# KiCad board Zynq_SoM.kicad_pcb (continued)
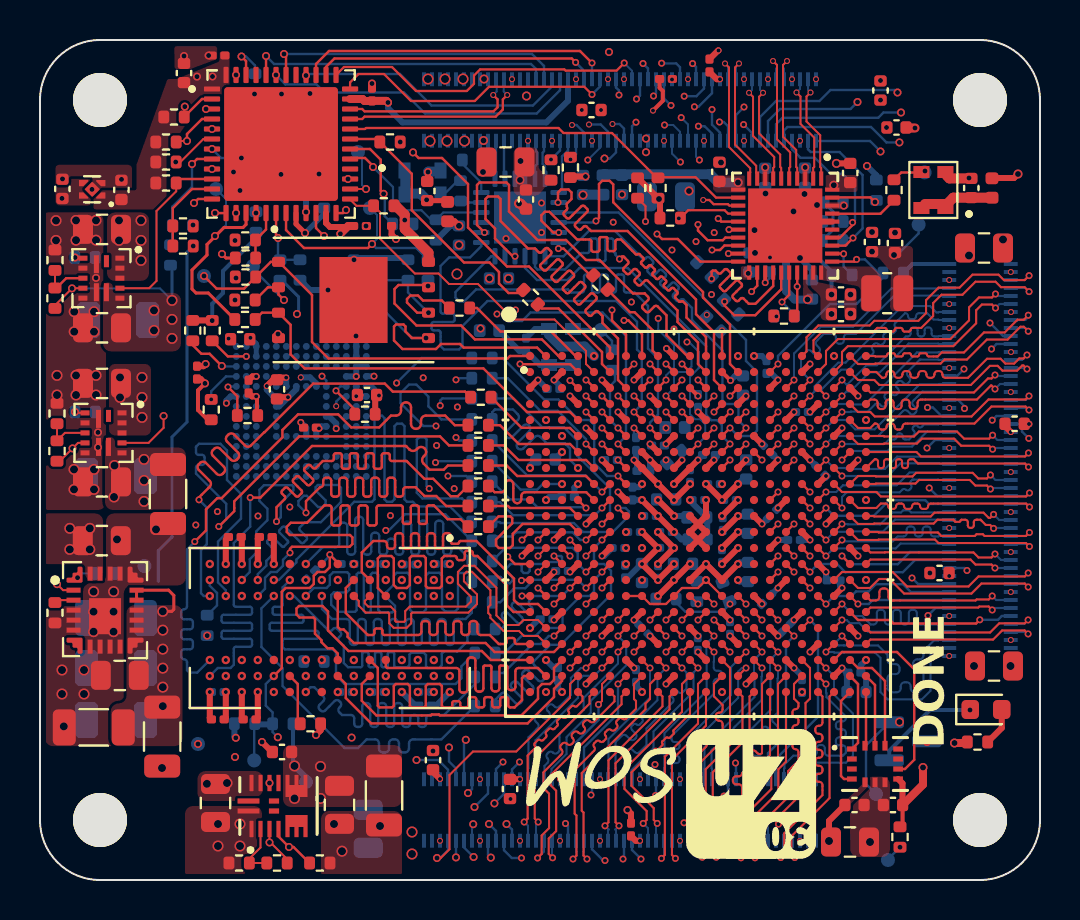
[diagram p0: board, top side]
## Routing (per net, layer and track width the routed paths; a pad name or vN(x,y) marks a point on that pad's centre or on a via; arc(x,y) is an arc through that point) (continued)
ETH_PHY_TXD1: length 12.1
  L1 (Sig) w0.12: U3.17 34.27,32.12 34.14,31.99 33.38,31.99 32.9,32.47 v1(32.9,32.78) ; U2.A7 29.3,27.28 28.6,27.97 v1(28.6,28.5)
  L6 (Sig+Pwr) w0.135: v1(28.6,28.5) 28.6,30 30,31.4 30.92,31.4 32.29,32.78 v1(32.9,32.78)
ETH_PHY_TXD2: length 13.4
  L1 (Sig) w0.12: U2.E10 31.69,23 31.29,23.41 ; v1(34.45,32.52) U3.16
  L6 (Sig+Pwr) w0.135: v1(34.45,32.52) 34.04,32.11 34.04,29.86 33.84,29.66 33.13,29.66 32.71,29.24 arc(32.61,29.2) 32.51,29.24 arc(32.41,29.28) 32.3,29.24 32.19,29.12 arc(32.15,29.02) 32.19,28.92 32.39,28.72 arc(32.44,28.62) 32.39,28.51 32.28,28.4 arc(32.18,28.36) 32.07,28.4 31.87,28.6 arc(31.77,28.65) 31.67,28.6 31.54,28.48 arc(31.5,28.38) 31.54,28.28 arc(31.58,28.17) 31.54,28.07 31.2,27.73 31.2,27.1 30.9,26.8 30.9,23.79 31.29,23.41
  vias: v1(31.3,23.4)
ETH_PHY_TXD3: length 11.5
  L1 (Sig) w0.12: v1(29.2,27.98) 29.42,27.98 30.1,27.3 U2.A8 ; U3.15 34.06,32.92 v1(33.91,33.07)
  L6 (Sig+Pwr) w0.135: v1(29.2,27.98) 29.2,28.55 29,28.75 29,29.3 30.46,30.76 31.44,30.76 32.38,31.69 32.38,32.1 32.62,32.34 33.12,32.34 33.85,33.07 v1(33.91,33.07)
IO_0_35: length 36.4
  L1 (Sig) w0.12: v1(37.7,21) U2.H17
  L4 (Sig+Pwr) w0.135: v1(37.7,21) 38.07,21.37 40.8,21.37 43.84,24.41 45.87,24.41 46.97,25.52 46.97,36.08 43.68,39.38 v4(42.88,39.38)
  L8 (Sig) w0.12: J1.86 36,38.15 36.8,38.95 38.97,38.95 39.52,39.5 42.75,39.5 v4(42.88,39.38)
IO_25_13: length 13
  L1 (Sig) w0.12: U2.U7 v1(28.9,13)
  L4 (Sig+Pwr) w0.12: v1(28.9,13) 28.95,12.95
  L4 (Sig+Pwr) w0.135: v1(23.97,5.9) 24.03,5.85 27.15,5.85 29.3,8 29.3,12.6 28.95,12.95
  L8 (Sig) w0.12: v1(23.97,5.9) 23.6,5.53 J2.23
IO_25_33: length 9.1
  L1 (Sig) w0.12: U2.U14 v1(35.3,13)
  L6 (Sig+Pwr) w0.135: v1(34.78,5.85) 35.7,6.78 35.7,12.6 v1(35.3,13)
  L8 (Sig) w0.12: v1(34.78,5.85) 34.8,5.83 J2.79
IO_L1_N_13: length 11.7
  L1 (Sig) w0.12: U2.V9 v1(31.3,12.2)
  L6 (Sig+Pwr) w0.135: v1(31.3,12.2) 30.9,11.8 30.9,8.53 26.57,4.2 v1(26.28,4.2)
  L8 (Sig) w0.12: J2.37 26.4,4.32 v1(26.28,4.2)
IO_L1_N_33: length 8.4
  L1 (Sig) w0.12: v1(46.99,13.01) 46.81,12.83 42.68,12.83 42.5,13 40.9,13 U2.U21
  L8 (Sig) w0.12: v1(46.99,13.01) 47.9,13.01 48.09,13.2 J3.89
IO_L1_N_35: length 25.5
  L1 (Sig) w0.12: U2.E16 v1(36.9,23.4)
  L4 (Sig+Pwr) w0.135: v1(36.9,23.4) 37.27,23.77 38.72,23.77 38.9,23.95 38.9,24.5 40.55,26.15 41.22,26.15 44.25,29.17 44.25,33.99 42.97,35.27 v4(42.97,36.88)
  L8 (Sig) w0.12: J1.92 37.2,37.47 37.38,37.65 41.55,37.65 42.32,36.88 v4(42.97,36.88)
IO_L1_P_33: length 5.2
  L1 (Sig) w0.1: U2.T21 v1(40.9,13.8)
  L8 (Sig) w0.12: J3.86 41.64,14 41.44,13.8 v1(40.9,13.8)
IO_L1_P_35: length 26
  L1 (Sig) w0.12: U2.F16 v1(36.9,22.6)
  L6 (Sig+Pwr) w0.135: v1(36.9,22.6) 37.3,23 37.3,23.6 37.5,23.8 37.95,23.8 38.1,23.95 38.1,25.15 38.35,25.4 38.7,25.4 39.22,25.92 39.22,26.3 41.43,28.5 41.43,30.95 41.18,31.2 41.18,32.97 40.86,33.29 39.76,33.29 39.49,33.56 39.49,34.05 38.54,35 37.85,35 36.75,36.1 34.68,36.1 34.32,36.45 32.9,36.45 32.72,36.62 32.72,37.5 v1(32.92,37.69)
  L8 (Sig) w0.12: J1.74 33.6,37.32 33.23,37.69 v1(32.92,37.69)
IO_L1P_13: length 10
  L1 (Sig) w0.12: U2.V10 v1(32.1,12.2)
  L6 (Sig+Pwr) w0.135: v1(32.1,12.2) 32.5,11.8 33.1,11.8 33.3,11.6 33.3,10.22 33.12,10.05 33.12,7.8 31.1,5.78 v1(30.75,5.78)
  L8 (Sig) w0.12: v1(30.75,5.78) 30.4,5.42 J2.57
IO_L2_N_13: length 14.8
  L1 (Sig) w0.12: U2.W8 v1(29.7,11.4)
  L6 (Sig+Pwr) w0.135: v4(21.66,2.79) 21.66,2.79 22.28,3.4 22.28,4.12 23.65,5.5 26.1,5.5 29.3,8.7 29.3,11 v1(29.7,11.4)
  L8 (Sig) w0.1: J2.14 21.6,2.73 v4(21.66,2.79)
IO_L2_N_33: length 7.5
  L1 (Sig) w0.104: U2.U22 41.52,13.62 46.92,13.62 46.97,13.67 47.44,13.67 v1(47.61,13.5)
  L8 (Sig) w0.104: J3.87 47.71,13.6 v1(47.61,13.5)
IO_L2_N_35: length 20.3
  L1 (Sig) w0.12: U2.D17 v1(37.7,24.2)
  L4 (Sig+Pwr) w0.135: v4(42.03,36.42) 42.03,34.94 43.4,33.56 43.4,29.38 40.93,26.9 39,26.9 38.1,26 38.1,24.6 v1(37.7,24.2)
  L8 (Sig) w0.12: 38.81,36.95 41.5,36.95 v4(42.03,36.42)
IO_L2_P_13: length 15.4
  L1 (Sig) w0.12: U2.V8 v1(29.7,12.2)
  L6 (Sig+Pwr) w0.135: v1(29.7,12.2) 30.11,11.79 30.11,10.17 29.7,9.77 29.7,8.21 24.89,3.4 23.05,3.4 v4(22.45,2.8)
  L8 (Sig) w0.12: J2.20 22.8,2.45 v4(22.45,2.8)
IO_L2_P_33: length 8.4
  L1 (Sig) w0.104: v1(47.61,14.2) 47.44,14.03 46.83,14.03 46.78,13.98 42.6,13.98 arc(42.47,14.03) 42.42,14.16 42.42,14.4 arc(42.37,14.52) 42.24,14.58 42.15,14.58 arc(42.02,14.52) 41.97,14.4 41.97,14.16 arc(41.92,14.03) 41.79,13.98 41.52,13.98 U2.T22
  L8 (Sig) w0.104: v1(47.61,14.2) 47.81,14 J3.85
IO_L3_DQS_N_33: length 9.4
  L1 (Sig) w0.104: U2.W22 41.52,12.02 47.65,12.02 48.11,12.48 49.23,12.48 v1(49.41,12.3)
  L8 (Sig) w0.104: v1(49.41,12.3) 49.31,12.4 J3.93
IO_L3_DQS_P_33: length 9.4
  L1 (Sig) w0.104: v1(49.41,13) 49.23,12.83 47.96,12.83 47.51,12.38 41.52,12.38 U2.V22
  L8 (Sig) w0.104: v1(49.41,13) 49.2,12.8 J3.91
IO_L3_N_13: length 10.6
  L1 (Sig) w0.12: U2.W10 v1(31.3,11.4)
  L6 (Sig+Pwr) w0.135: v1(31.3,11.4) 31.7,11 31.7,8.35 28.6,5.25 28.6,4.93 27.93,4.25 v1(27.55,4.25)
  L8 (Sig) w0.12: J2.43 27.6,4.3 v1(27.55,4.25)
IO_L3_P_13: length 17.9
  L1 (Sig) w0.12: U2.W11 v1(32.1,11.4)
  L6 (Sig+Pwr) w0.135: v1(32.1,11.4) 32.5,11 32.5,8.15 28,3.65 26.25,3.65 24.94,2.34 23.49,2.34 22.54,1.39 v4(22.54,1.12)
  L8 (Sig) w0.12: J2.18 22.4,1.26 v4(22.54,1.12)
IO_L3P_PUDC_34: length 14.1
  L1 (Sig) w0.12: U2.K16 v1(36.9,19.4)
  L4 (Sig+Pwr) w0.135: v1(36.9,19.4) 37.3,19 40.01,19 43.31,22.3 46.92,22.3 v1(47.61,22.99)
  L8 (Sig) w0.12: J3.39 47.82,23.2 v1(47.61,22.99)
IO_L4_N_13: length 9.5
  L1 (Sig) w0.104: U2.W12 v1(33.7,11.4)
  L8 (Sig) w0.104: v1(33.7,11.4) 33.7,10.93 33.69,10.91 33.69,10.62 arc(33.73,10.51) 33.85,10.46 33.95,10.46 arc(34.06,10.41) 34.11,10.3 34.11,10.22 arc(34.06,10.11) 33.95,10.06 33.85,10.06 arc(33.73,10.01) 33.69,9.9 33.69,9.31 31.58,7.2 31.58,7.04 arc(31.62,6.94) 31.72,6.9 31.84,6.9 arc(31.94,6.86) 31.98,6.76 31.98,6.69 arc(31.94,6.59) 31.84,6.55 31.72,6.55 arc(31.62,6.51) 31.58,6.41 31.58,6.34 arc(31.62,6.24) 31.72,6.2 31.84,6.2 arc(31.94,6.16) 31.98,6.06 31.98,5.99 arc(31.94,5.89) 31.84,5.85 31.72,5.85 arc(31.62,5.81) 31.58,5.71 31.58,5.59 31.6,5.57 J2.63
IO_L4_N_33: length 13.1
  L1 (Sig) w0.104: v1(40.1,12.2) U2.W21
  L8 (Sig) w0.104: v1(40.1,12.2) 39.83,11.93 39.83,11.82 39.92,11.73 40.21,11.73 40.2,11.73 41.9,11.73 42.38,11.25 42.38,10.99 arc(42.44,10.85) 42.58,10.79 42.78,10.79 arc(42.92,10.74) 42.98,10.59 42.98,10.49 arc(42.92,10.35) 42.78,10.29 42.58,10.29 arc(42.44,10.24) 42.38,10.09 42.38,9.54 42.53,9.39 42.84,9.39 arc(42.98,9.45) 43.04,9.59 43.04,9.69 arc(43.09,9.83) 43.24,9.89 43.34,9.89 arc(43.48,9.83) 43.54,9.69 43.54,9.59 arc(43.59,9.45) 43.74,9.39 43.95,9.39 44.17,9.61 44.17,10.33 arc(44.11,10.47) 43.97,10.53 43.86,10.53 arc(43.72,10.59) 43.66,10.73 43.66,10.83 arc(43.72,10.97) 43.86,11.03 43.97,11.03 arc(44.11,11.09) 44.17,11.23 44.17,11.45 44.7,11.98 44.91,11.98 44.93,12 J3.96
IO_L4_N_34: length 15.4
  L1 (Sig) w0.12: U2.M17 v1(37.7,17.8)
  L4 (Sig+Pwr) w0.135: v1(49.44,22.08) 48.24,20.88 43.85,20.88 41.18,18.2 38.1,18.2 v1(37.7,17.8)
  L8 (Sig) w0.12: J3.41 48.99,22.8 49.1,22.69 49.1,22.42 v1(49.44,22.08)
IO_L4_N_35: length 27.1
  L1 (Sig) w0.12: U2.G16 v1(36.9,21.8)
  L6 (Sig+Pwr) w0.135: v1(35.18,37.77) 35.19,37.76 38.64,37.76 43.32,33.08 43.32,27.67 40.25,24.6 39.93,24.6 39.7,24.37 39.7,22.38 39.52,22.2 37.3,22.2 v1(36.9,21.8)
  L8 (Sig) w0.12: v1(35.18,37.77) 35.6,37.35 J1.84
IO_L4_P_13: length 8.8
  L1 (Sig) w0.104: U2.V12 v1(33.7,12.2)
  L8 (Sig) w0.104: v1(33.7,12.2) 33.32,11.82 33.32,10.93 33.33,10.91 33.33,9.45 31.22,7.34 31.22,5.59 31.2,5.57 J2.61
IO_L4_P_33: length 10.9
  L1 (Sig) w0.104: U2.W20 v1(39.3,11.4)
  L8 (Sig) w0.104: v1(39.3,11.4) 39.68,11.4 39.71,11.37 40.21,11.37 40.2,11.37 41.76,11.37 42.02,11.11 42.02,9.4 42.39,9.03 44.09,9.03 44.53,9.47 44.53,11.31 44.84,11.62 44.91,11.62 44.93,11.6 J3.98
IO_L4_P_35: length 34.6
  L1 (Sig) w0.12: U2.G15 v1(36.1,21)
  L6 (Sig+Pwr) w0.135: v1(36.1,21) 36.5,20.6 41.02,20.6 42.4,21.98 42.4,24.5 44.97,27.08 44.97,33.75 42.64,36.09 42.64,36.46 40.15,38.95 35.5,38.95 v1(35.2,38.65)
  L8 (Sig) w0.12: J1.80 34.8,38.25 v1(35.2,38.65)
IO_L5_N_13: length 18.6
  L1 (Sig) w0.12: U2.U11 v1(32.1,13)
  L4 (Sig+Pwr) w0.135: v4(23.32,2.8) 23.68,2.45 25.25,2.45 26.08,3.28 28.15,3.28 29.35,4.47 29.97,4.47 31.7,6.21 31.7,12.6 v1(32.1,13)
  L8 (Sig) w0.12: v4(23.32,2.8) 23.6,2.53 J2.24
IO_L5_N_33: length 6.2
  L1 (Sig) w0.104: U2.V20 v1(40.1,13)
  L8 (Sig) w0.104: J3.94 44.93,12.4 44.91,12.42 41.39,12.42 40.97,12.84 40.49,12.84 40.33,13 v1(40.1,13)
IO_L5_N_34: length 14.1
  L1 (Sig) w0.12: U2.N18 v1(38.5,16.2)
  L6 (Sig+Pwr) w0.135: v1(46.22,23.58) 46.2,23.55 46.2,21.53 44.9,20.22 44.9,19.28 42.22,16.6 38.9,16.6 v1(38.5,16.2)
  L8 (Sig) w0.12: J3.36 45.91,24 46.22,23.69 v1(46.22,23.58)
IO_L5_N_35: length 28.6
  L1 (Sig) w0.12: U2.E18 v1(38.5,22.6)
  L4 (Sig+Pwr) w0.135: v1(38.5,22.6) 38.9,23 39.55,23 39.7,23.15 39.7,23.65 39.85,23.8 40.35,23.8 40.53,23.98 40.53,24.63 41.32,25.42 41.76,25.42 45.07,28.73 45.07,35.58 42.32,38.33 41.45,38.33 v4(40.88,38.9)
  L8 (Sig) w0.12: J1.88 36.4,37.95 37,38.55 40.53,38.55 v4(40.88,38.9)
IO_L5_P_33: length 9.9
  L1 (Sig) w0.104: U2.U20 v1(40.1,13.8)
  L8 (Sig) w0.104: J3.92 44.93,12.8 44.91,12.78 44,12.78 arc(43.89,12.82) 43.84,12.94 43.84,13.35 arc(43.79,13.46) 43.68,13.51 43.6,13.51 arc(43.49,13.46) 43.44,13.35 43.44,12.94 arc(43.39,12.82) 43.28,12.78 43.2,12.78 arc(43.09,12.82) 43.04,12.94 43.04,13.35 arc(42.99,13.46) 42.88,13.51 42.8,13.51 arc(42.69,13.46) 42.64,13.35 42.64,12.94 arc(42.59,12.82) 42.48,12.78 42.4,12.78 arc(42.29,12.82) 42.24,12.94 42.24,13.35 arc(42.19,13.46) 42.08,13.51 42,13.51 arc(41.89,13.46) 41.84,13.35 41.84,12.94 arc(41.79,12.82) 41.68,12.78 41.53,12.78 41.11,13.2 40.7,13.2 v1(40.1,13.8)
IO_L5_P_34: length 10.4
  L1 (Sig) w0.12: U2.N17 v1(37.7,16.2)
  L6 (Sig+Pwr) w0.135: v1(44.46,19.6) 44.1,19.6 41.9,17.4 38.05,17.4 37.7,17.05 v1(37.7,16.2)
  L8 (Sig) w0.12: J3.60 44.86,19.2 v1(44.46,19.6)
IO_L5_P_35: length 30.4
  L1 (Sig) w0.12: U2.F18 v1(38.5,21.8)
  L4 (Sig+Pwr) w0.135: v4(43.05,38.38) 43.78,38.38 45.9,36.25 45.9,27.37 44.31,25.78 43.38,25.78 40.75,23.15 40.75,22.73 40.25,22.23 38.93,22.23 v1(38.5,21.8)
  L8 (Sig) w0.12: v4(43.05,38.38) 42.18,38.38 41.91,38.11 37.12,38.11 36.8,37.79 J1.90
IO_L5P_13: length 17.5
  L1 (Sig) w0.12: U2.U12 v1(32.9,13)
  L6 (Sig+Pwr) w0.135: v1(26.28,2.82) 26.85,2.82 27.18,3.15 28.3,3.15 29.43,4.28 30,4.28 30.53,4.8 31.1,4.8 33.73,7.43 33.73,9.93 34.1,10.3 34.1,12.5 34,12.6 33.3,12.6 v1(32.9,13)
  L8 (Sig) w0.12: v1(26.28,2.82) 26.4,2.7 J2.38
IO_L6_N_VREF_13: length 18.1
  L1 (Sig) w0.12: U2.U9 v1(30.5,13)
  L4 (Sig+Pwr) w0.135: v1(30.5,13) 30.1,12.6 30.1,10.25 30.47,9.88 30.47,8.07 27,4.6 22.68,4.6 v4(21.72,3.65)
  L8 (Sig) w0.12: J2.17 22.4,4.32 v4(21.72,3.65)
IO_L6_P_13: length 17.9
  L1 (Sig) w0.12: U2.U10 v1(31.3,13)
  L4 (Sig+Pwr) w0.135: v1(31.3,13) 30.9,12.6 30.9,7 27.7,3.8 24.3,3.8 24.05,3.55 23,3.55 v4(22.72,3.83)
  L8 (Sig) w0.12: J2.21 23.2,4.31 v4(22.72,3.83)
IO_L6_P_33: length 9.7
  L1 (Sig) w0.1: U2.V18 v1(38.5,13)
  L6 (Sig+Pwr) w0.1: v1(38.5,13) 38.5,12.9
  L8 (Sig) w0.12: J2.89 36.8,6.06 38.9,8.16 38.9,12.6 v1(38.5,13)
IO_L6_P_35: length 30.8
  L1 (Sig) w0.12: U2.G17 v1(37.7,21.8)
  L6 (Sig+Pwr) w0.135: v1(33.97,37.9) 34.47,37.9 34.8,38.22 39.5,38.22 44.07,33.65 44.07,27.22 41.75,24.9 41.75,22.42 40.72,21.4 38.1,21.4 v1(37.7,21.8)
  L8 (Sig) w0.12: J1.78 34.4,37.69 34.19,37.9 v1(33.97,37.9)
IO_L6_VREF_N_34: length 11.9
  L1 (Sig) w0.12: U2.M16 v1(36.9,17.8)
  L4 (Sig+Pwr) w0.135: v1(36.9,17.8) 37.3,17.4 44.43,17.4 v1(46.35,15.47)
  L8 (Sig) w0.12: v1(46.35,15.47) 46.22,15.6 J3.78
IO_L6_VREF_N_35: length 26.9
  L1 (Sig) w0.12: U2.F17 v1(37.7,22.6)
  L6 (Sig+Pwr) w0.135: v1(33.6,38.53) 33.49,38.42 33.49,37.52 33.9,37.11 34.39,37.11 34.93,36.58 38.19,36.58 39.48,35.29 40.04,35.29 40.79,34.54 40.79,34.13 42.2,32.72 42.2,30.83 42.5,30.53 42.5,28.01 38.9,24.41 38.9,23.2 38.7,23 38.1,23 v1(37.7,22.6)
  L8 (Sig) w0.12: v1(33.6,38.53) 33.6,37.77 34,37.37 J1.76
IO_L7_N_13: length 10
  L1 (Sig) w0.104: U2.AB12 33.3,7.72 31.6,6.02 31.6,1.25 v1(31.77,1.08)
  L8 (Sig) w0.104: v1(31.77,1.08) 31.6,1.25 J2.64
IO_L7_N_33: length 2.7
  L1 (Sig) w0.12: U2.AB22 41.3,6.76 U14.14
IO_L7_N_34: length 10.7
  L1 (Sig) w0.12: U2.K18 v1(38.5,18.6)
  L6 (Sig+Pwr) w0.135: v1(44.38,23.62) 43.7,22.95 43.7,21.3 41.82,19.42 40.9,19.42 40.47,19 38.9,19 v1(38.5,18.6)
  L8 (Sig) w0.12: v1(44.38,23.62) 44.65,23.62 45.07,23.2 J3.40
IO_L7_P_13: length 11
  L1 (Sig) w0.104: v1(31.07,1.08) 31.24,1.25 31.24,6.16 32.9,7.82 32.9,9.8 U2.AA12
  L8 (Sig) w0.104: v1(31.07,1.08) 31.2,1.21 J2.62
IO_L7_P_33: length 3.7
  L1 (Sig) w0.12: U2.AA22 41.75,9.75 U14.13
IO_L7_P_34: length 15.8
  L1 (Sig) w0.12: U2.J18 v1(38.5,19.4)
  L6 (Sig+Pwr) w0.135: v1(47.5,27.85) 46.93,27.85 43.12,24.05 43.12,21.62 41.32,19.82 38.92,19.82 v1(38.5,19.4)
  L8 (Sig) w0.12: v1(47.5,27.85) 48.15,27.2 J3.19
IO_L8_N_13: length 9.5
  L1 (Sig) w0.104: U2.AB11 32.5,8.31 31.68,7.49 arc(31.66,7.44) 31.68,7.4 arc(31.7,7.35) 31.68,7.31 31.49,7.12 arc(31.44,7.1) 31.4,7.12 arc(31.35,7.13) 31.31,7.12 31.11,6.92 arc(31.1,6.88) 31.11,6.83 arc(31.13,6.79) 31.11,6.74 30.92,6.55 arc(30.88,6.53) 30.83,6.55 arc(30.79,6.57) 30.74,6.55 29.58,5.39 29.58,4.7 30.69,3.59 30.69,3 v1(30.86,2.83)
  L8 (Sig) w0.104: v1(30.86,2.83) 30.8,2.77 J2.60
IO_L8_N_33: length 5
  L1 (Sig) w0.12: U14.4 40.2,5.05 40.05,5.2 40.05,8.95 U2.AB21
IO_L8_N_34: length 7.5
  L1 (Sig) w0.104: v1(47.52,19.55) 47.35,19.72 46.77,19.72 46.49,20 43.95,20 43.77,19.82 41.8,19.82 41.77,19.8 U2.J22
  L8 (Sig) w0.104: v1(47.52,19.55) 47.57,19.6 J3.57
IO_L8_P_13: length 10.2
  L1 (Sig) w0.104: v1(30.16,2.83) 30.33,3 30.33,3.45 29.22,4.56 29.22,5.53 32.1,8.41 32.1,9.8 U2.AA11
  L8 (Sig) w0.104: J2.58 30.4,2.59 v1(30.16,2.83)
IO_L8_P_33: length 4.4
  L1 (Sig) w0.1: U2.AA21 40.85,9.85
  L1 (Sig) w0.12: U2.AA21 40.9,9.8 40.9,6.86 U14.1
IO_L8_P_34: length 8.6
  L1 (Sig) w0.104: v1(47.52,20.25) 47.35,20.08 46.91,20.08 46.63,20.36 43.81,20.36 43.63,20.18 41.8,20.18 41.77,20.2 40.9,20.2 U2.J21
  L8 (Sig) w0.104: J3.55 47.77,20 v1(47.52,20.25)
IO_L9_DQS_N_13: length 8.8
  L1 (Sig) w0.104: U2.AB9 31.12,9.18 31.12,8.68 28.42,5.98 28.42,2.88 v1(28.25,2.71)
  L8 (Sig) w0.104: v1(28.25,2.71) 28.43,2.53 28.43,2.51 28.4,2.49 J2.48
IO_L9_DQS_N_33: length 5.4
  L1 (Sig) w0.12: U2.Y21 40.9,10.6 41.6,10.6 42.25,9.95 U14.12
IO_L9_DQS_N_34: length 11.2
  L1 (Sig) w0.104: v1(49.47,18.65) 49.3,18.82 44.54,18.82 arc(44.44,18.78) 44.4,18.69 arc(44.37,18.59) 44.27,18.55 44.14,18.55 arc(44.04,18.59) 44,18.69 arc(43.97,18.78) 43.87,18.82 43.74,18.82 arc(43.64,18.78) 43.6,18.69 arc(43.57,18.59) 43.47,18.55 43.34,18.55 arc(43.24,18.59) 43.2,18.69 arc(43.17,18.78) 43.07,18.82 42.94,18.82 arc(42.84,18.78) 42.8,18.69 arc(42.77,18.59) 42.67,18.55 42.54,18.55 arc(42.44,18.59) 42.4,18.69 arc(42.37,18.78) 42.27,18.82 42.04,18.82 41.82,18.6 40.9,18.6 U2.K21
  L8 (Sig) w0.104: v1(49.47,18.65) 49.32,18.8 J3.61
IO_L9_DQS_P_13: length 8.8
  L1 (Sig) w0.104: v1(28.95,2.71) 28.78,2.88 28.78,5.84 31.48,8.54 31.48,9.18 U2.AB10
  L8 (Sig) w0.104: J2.50 28.8,2.49 28.78,2.51 28.78,2.53 v1(28.95,2.71)
IO_L9_DQS_P_33: length 10.1
  L1 (Sig) w0.12: U2.Y20 40.1,11.4 42.85,11.4 43.71,10.54 43.71,6.01 43.25,5.55 U14.9
IO_L9_DQS_P_34: length 11.1
  L1 (Sig) w0.104: U2.J20 40.1,19.4 41.82,19.4 42.04,19.18 49.3,19.18 v1(49.47,19.35)
  L8 (Sig) w0.104: v1(49.47,19.35) 49.32,19.2 J3.59
IO_L10_N_13: length 8.7
  L1 (Sig) w0.104: U2.Y10 v1(32.1,10.6)
  L8 (Sig) w0.104: v1(32.1,10.6) 32.32,10.38 32.32,9.57 32.14,9.39 arc(32.03,9.35) 31.92,9.39 31.86,9.45 arc(31.75,9.5) 31.63,9.45 31.58,9.39 arc(31.53,9.28) 31.58,9.17 31.63,9.11 arc(31.68,9) 31.63,8.89 30.32,7.57 30.32,6.74 29.97,6.39 arc(29.86,6.34) 29.74,6.39 29.62,6.51 arc(29.51,6.56) 29.4,6.51 29.34,6.45 arc(29.29,6.34) 29.34,6.23 29.46,6.11 arc(29.51,5.99) 29.46,5.88 29.22,5.64 29.22,5.31 29.2,5.29 J2.51
IO_L10_N_33: length 10.1
  L1 (Sig) w0.104: U2.AB20 39.48,9.18 39.48,4.1 37.56,2.18 37.56,1.3 v1(37.74,1.12)
  L8 (Sig) w0.104: J2.94 37.6,1.26 v1(37.74,1.12)
IO_L10_N_34: length 7.6
  L1 (Sig) w0.104: v1(47.68,18.28) 47.51,18.11 47.43,18.11 47.17,18.37 44.73,18.37 44.54,18.18 41.71,18.18 41.69,18.2 U2.L22
  L8 (Sig) w0.104: J3.65 47.96,18 v1(47.68,18.28)
IO_L10_N_35: length 14.9
  L1 (Sig) w0.104: v1(49.45,29.42) 49.23,29.64 48.05,29.64 47.78,29.91 46.77,29.91 46.12,29.26 45.07,29.26 44.66,28.85 44.66,28.2 44.07,27.61 43.63,27.61 arc(43.56,27.58) 43.53,27.51 arc(43.51,27.45) 43.44,27.42 43.23,27.42 arc(43.16,27.45) 43.13,27.51 arc(43.11,27.58) 43.04,27.61 42.83,27.61 arc(42.76,27.58) 42.73,27.51 arc(42.71,27.45) 42.64,27.42 42.43,27.42 arc(42.36,27.45) 42.33,27.51 arc(42.31,27.58) 42.24,27.61 41.87,27.61 41.63,27.37 39.06,27.37 38.67,26.98 38.67,26.42 U2.A19
  L8 (Sig) w0.104: v1(49.45,29.42) 49.27,29.6 J3.7
IO_L10_P_13: length 7.5
  L1 (Sig) w0.104: U2.Y11 v1(32.9,10.6)
  L8 (Sig) w0.104: J2.53 29.6,5.29 29.58,5.31 29.58,5.5 30.68,6.6 30.68,7.43 32.68,9.43 32.68,10.38 v1(32.9,10.6)
IO_L10_P_33: length 11.9
  L1 (Sig) w0.104: v1(37.04,1.12) 37.21,1.3 37.21,2.33 39.12,4.24 39.12,4.75 arc(39.08,4.86) 38.96,4.91 38.92,4.91 arc(38.81,4.96) 38.76,5.07 38.76,5.15 arc(38.81,5.26) 38.92,5.31 38.96,5.31 arc(39.08,5.36) 39.12,5.47 39.12,5.55 arc(39.08,5.66) 38.96,5.71 38.92,5.71 arc(38.81,5.76) 38.76,5.87 38.76,5.95 arc(38.81,6.06) 38.92,6.11 38.96,6.11 arc(39.08,6.16) 39.12,6.27 39.12,6.35 arc(39.08,6.46) 38.96,6.51 38.92,6.51 arc(38.81,6.56) 38.76,6.67 38.76,6.75 arc(38.81,6.86) 38.92,6.91 38.96,6.91 arc(39.08,6.96) 39.12,7.07 39.12,7.15 arc(39.08,7.26) 38.96,7.31 38.92,7.31 arc(38.81,7.36) 38.76,7.47 38.76,7.55 arc(38.81,7.66) 38.92,7.71 38.96,7.71 arc(39.08,7.76) 39.12,7.87 39.12,9.18 U2.AB19
  L8 (Sig) w0.104: v1(37.04,1.12) 37.2,1.28 J2.92
IO_L10_P_34: length 9.2
  L1 (Sig) w0.104: U2.L21 40.9,17.8 41.69,17.8 41.71,17.82 44.68,17.82 44.87,18.01 45.67,18.01 arc(45.71,18) 45.72,17.96 arc(45.74,17.92) 45.77,17.91 45.97,17.91 arc(46.01,17.92) 46.02,17.96 arc(46.04,18) 46.07,18.01 46.27,18.01 arc(46.35,17.98) 46.39,17.89 46.39,17.73 arc(46.43,17.64) 46.51,17.61 46.57,17.61 arc(46.65,17.64) 46.69,17.73 46.69,17.89 arc(46.73,17.98) 46.81,18.01 47.03,18.01 47.29,17.75 47.51,17.75 v1(47.68,17.58)
  L8 (Sig) w0.1: 47.7,17.6 v1(47.68,17.58)
  L8 (Sig) w0.104: J3.67 47.7,17.6
IO_L10_P_35: length 15
  L1 (Sig) w0.104: v1(49.45,30.22) 49.23,29.99 48.2,29.99 47.92,30.27 46.63,30.27 45.98,29.62 44.93,29.62 44.3,28.99 44.3,28.34 43.92,27.96 41.72,27.96 41.49,27.73 38.92,27.73 38.32,27.14 38.32,26.42 U2.A18
  L8 (Sig) w0.104: J3.5 49.24,30 v1(49.45,30.22)
IO_L11_SRCC_N_13: length 12.6
  L1 (Sig) w0.104: v1(26.65,1.05) 26.82,1.22 26.82,3.23 26.73,3.32 26.73,5.49 27.71,6.47 arc(27.75,6.56) 27.71,6.65 arc(27.67,6.74) 27.71,6.83 27.81,6.93 arc(27.9,6.97) 27.99,6.93 arc(28.08,6.9) 28.17,6.93 28.27,7.04 arc(28.31,7.13) 28.27,7.22 arc(28.24,7.31) 28.27,7.4 28.38,7.5 arc(28.47,7.54) 28.56,7.5 arc(28.65,7.46) 28.74,7.5 28.84,7.6 arc(28.88,7.69) 28.84,7.78 arc(28.8,7.87) 28.84,7.96 28.94,8.07 arc(29.03,8.1) 29.12,8.07 arc(29.21,8.03) 29.31,8.07 29.8,8.56 29.8,8.95 29.7,9.05 29.7,9.8 U2.AA8
  L8 (Sig) w0.104: J2.40 26.8,1.43 26.82,1.41 26.82,1.22 v1(26.65,1.05)
IO_L11_SRCC_N_33: length 11.5
  L1 (Sig) w0.104: U2.AA19 v1(39.3,9.8)
  L8 (Sig) w0.104: J2.91 37.2,5.57 37.22,5.59 37.22,5.77 37.67,6.22 37.88,6.22 arc(37.99,6.26) 38.04,6.38 38.04,6.59 arc(38.09,6.7) 38.2,6.75 38.28,6.75 arc(38.39,6.7) 38.44,6.59 38.44,6.38 arc(38.49,6.26) 38.6,6.22 38.68,6.22 arc(38.79,6.26) 38.84,6.38 38.84,6.59 arc(38.89,6.7) 39,6.75 39.08,6.75 arc(39.19,6.7) 39.24,6.59 39.24,6.38 arc(39.29,6.26) 39.4,6.22 40.15,6.22 40.29,6.36 40.29,6.57 arc(40.25,6.68) 40.13,6.73 39.95,6.73 arc(39.84,6.78) 39.79,6.89 39.79,6.97 arc(39.84,7.08) 39.95,7.13 40.13,7.13 arc(40.25,7.18) 40.29,7.29 40.29,7.37 arc(40.25,7.48) 40.13,7.53 39.95,7.53 arc(39.84,7.58) 39.79,7.69 39.79,7.77 arc(39.84,7.88) 39.95,7.93 40.13,7.93 arc(40.25,7.98) 40.29,8.09 40.29,8.18 39.32,9.15 39.32,9.35 39.3,9.37 v1(39.3,9.8)
IO_L11_SRCC_N_34: length 7.1
  L1 (Sig) w0.104: U2.K20 v1(40.1,18.6)
  L8 (Sig) w0.1: v1(40.1,18.6) 40.1,19.15
  L8 (Sig) w0.104: J3.56 44.93,20 44.91,20.02 43.62,20.02 43.54,19.94 arc(43.51,19.85) 43.54,19.76 arc(43.58,19.67) 43.54,19.58 43.48,19.51 arc(43.39,19.48) 43.3,19.51 arc(43.21,19.55) 43.12,19.51 42.98,19.38 40.33,19.38 40.1,19.15
IO_L11_SRCC_N_35: length 12
  L1 (Sig) w0.104: U2.C18 v1(38.5,25)
  L8 (Sig) w0.104: v1(38.5,25) 38.05,25.45 38.05,26.17 38.33,26.45 arc(38.44,26.49) 38.55,26.45 38.67,26.33 arc(38.79,26.28) 38.9,26.33 38.96,26.38 arc(39,26.5) 38.96,26.61 38.84,26.73 arc(38.79,26.84) 38.84,26.96 39.18,27.3 39.63,27.3 arc(39.75,27.26) 39.79,27.14 39.79,26.97 arc(39.84,26.86) 39.95,26.81 40.03,26.81 arc(40.15,26.86) 40.19,26.97 40.19,27.14 arc(40.24,27.26) 40.35,27.3 40.79,27.3 42.71,29.22 44.91,29.22 44.93,29.2 J3.10
IO_L11_SRCC_P_13: length 11.8
  L1 (Sig) w0.104: U2.AA9 30.5,9.8 30.5,9.05 30.28,8.83 30.28,8.53 27.09,5.35 27.09,3.46 27.18,3.37 27.18,1.22 v1(27.35,1.05)
  L8 (Sig) w0.104: J2.42 27.2,1.43 27.18,1.41 27.18,1.22 v1(27.35,1.05)
IO_L11_SRCC_P_33: length 9.4
  L1 (Sig) w0.104: U2.Y19 v1(39.3,10.6)
  L8 (Sig) w0.104: v1(39.3,10.6) 39.7,10.2 39.7,9.37 39.68,9.35 39.68,9.29 40.65,8.32 40.65,6.22 40.29,5.86 37.81,5.86 37.58,5.63 37.58,5.59 37.6,5.57 J2.93
IO_L11_SRCC_P_34: length 7.1
  L1 (Sig) w0.104: U2.K19 v1(39.3,19.4)
  L8 (Sig) w0.1: v1(39.3,19.4) 39.81,19.4
  L8 (Sig) w0.104: 39.81,19.4 40.15,19.74 42.84,19.74 43.48,20.38 44.91,20.38 44.93,20.4 J3.54
IO_L11_SRCC_P_35: length 11
  L1 (Sig) w0.104: U2.C17 v1(37.7,25)
  L8 (Sig) w0.104: v1(37.7,25) 37.7,26.32 37.7,26.32 39.04,27.66 40.65,27.66 42.57,29.58 44.91,29.58 44.93,29.6 J3.8
IO_L12_MRCC_N_13: length 7
  L1 (Sig) w0.104: U2.Y8 v1(30.5,10.6)
  L8 (Sig) w0.104: J2.47 28.4,5.57 28.42,5.59 28.42,7.04 30.5,9.12 v1(30.5,10.6)
IO_L12_MRCC_N_33: length 10.3
  L1 (Sig) w0.104: v1(36.23,2.79) 36.4,2.97 36.4,3.14 37.4,4.14 37.4,5.44 37.92,5.96 37.92,6.39 arc(37.88,6.5) 37.77,6.54 arc(37.67,6.58) 37.62,6.69 37.62,6.79 arc(37.67,6.9) 37.77,6.94 arc(37.88,6.98) 37.92,7.09 37.92,7.19 arc(37.88,7.3) 37.77,7.34 arc(37.67,7.38) 37.62,7.49 37.62,7.59 arc(37.67,7.7) 37.77,7.74 arc(37.88,7.78) 37.92,7.89 37.92,7.99 arc(37.88,8.1) 37.77,8.14 arc(37.67,8.18) 37.62,8.29 37.62,8.39 arc(37.67,8.5) 37.77,8.54 arc(37.88,8.58) 37.92,8.69 37.92,8.85 37.7,9.07 37.7,9.07 37.7,9.8 U2.AA18
  L8 (Sig) w0.104: J2.88 36.4,2.62 v1(36.23,2.79)
IO_L12_MRCC_N_34: length 7.3
  L1 (Sig) w0.1: U2.L19 v1(39.3,18.6)
  L8 (Sig) w0.12: v1(39.3,18.6) 39.69,18.21 41.69,18.21 42.47,18.99 44.26,18.99 44.45,18.8 J3.62
IO_L12_MRCC_N_35: length 10.5
  L1 (Sig) w0.104: U2.C19 v1(39.3,24.2)
  L8 (Sig) w0.104: J3.16 44.93,28 44.91,28.02 44.68,28.02 44.36,28.34 43.95,28.34 arc(43.85,28.3) 43.8,28.19 arc(43.76,28.09) 43.65,28.04 43.55,28.04 arc(43.45,28.09) 43.4,28.19 arc(43.36,28.3) 43.25,28.34 42.77,27.86 arc(42.72,27.75) 42.77,27.64 arc(42.81,27.54) 42.77,27.43 42.7,27.36 arc(42.59,27.32) 42.48,27.36 arc(42.38,27.41) 42.27,27.36 42.2,27.29 arc(42.16,27.18) 42.2,27.08 arc(42.24,26.97) 42.2,26.87 42.13,26.8 arc(42.02,26.75) 41.92,26.8 arc(41.81,26.84) 41.71,26.8 41.64,26.72 arc(41.59,26.62) 41.64,26.51 arc(41.68,26.41) 41.64,26.3 41.56,26.23 arc(41.46,26.19) 41.35,26.23 arc(41.25,26.27) 41.14,26.23 40.42,25.51 40.06,25.51 39.08,24.53 39.08,24.42 v1(39.3,24.2)
IO_L12_MRCC_P_13: length 8.3
  L1 (Sig) w0.104: U2.Y9 v1(31.3,10.6)
  L8 (Sig) w0.104: v1(31.3,10.6) 30.87,10.17 30.87,8.99 30.11,8.23 arc(30.08,8.15) 30.11,8.06 arc(30.14,7.98) 30.11,7.9 29.99,7.78 arc(29.91,7.75) 29.83,7.78 arc(29.74,7.81) 29.66,7.78 29.6,7.72 arc(29.56,7.61) 29.6,7.5 29.78,7.32 arc(29.83,7.21) 29.78,7.09 29.73,7.04 arc(29.61,6.99) 29.5,7.04 29.32,7.21 arc(29.21,7.26) 29.1,7.21 28.78,6.9 28.78,5.59 28.8,5.57 J2.49
IO_L12_MRCC_P_33: length 10.1
  L1 (Sig) w0.104: U2.Y18 38.5,10.6 38.5,9.07 38.5,9.07 38.28,8.85 38.28,5.82 37.76,5.3 37.76,4 36.75,2.99 36.75,2.97 v1(36.93,2.79)
  L8 (Sig) w0.104: v1(36.93,2.79) 36.8,2.67 J2.90
IO_L12_MRCC_P_34: length 9.7
  L1 (Sig) w0.12: U2.L18 v1(38.5,17.8)
  L6 (Sig+Pwr) w0.135: v1(38.5,17.8) 38.9,18.2 41.7,18.2 44.35,20.85 v1(44.35,21.6)
  L8 (Sig) w0.12: v1(44.35,21.6) 44.75,22 J3.46
IO_L12_MRCC_P_35: length 9.7
  L1 (Sig) w0.104: U2.D18 v1(38.5,24.2)
  L8 (Sig) w0.104: v1(38.5,24.2) 38.72,24.42 38.72,24.68 39.91,25.87 40.28,25.87 43.11,28.7 44.5,28.7 44.82,28.38 44.91,28.38 44.93,28.4 J3.14
IO_L13_MRCC_N_13: length 8.7
  L1 (Sig) w0.104: U2.Y5 v1(27.3,10.6)
  L8 (Sig) w0.104: v1(27.3,10.6) 27.04,10.6 26.54,10.1 26.54,9.25 25.96,8.67 arc(25.85,8.62) 25.73,8.67 25.66,8.74 arc(25.55,8.79) 25.44,8.74 25.38,8.69 arc(25.33,8.57) 25.38,8.46 25.45,8.39 arc(25.5,8.27) 25.45,8.16 25.39,8.1 arc(25.28,8.06) 25.17,8.1 25.06,8.21 arc(24.95,8.26) 24.83,8.21 24.78,8.16 arc(24.73,8.04) 24.78,7.93 24.89,7.82 arc(24.93,7.71) 24.89,7.6 24.42,7.13 24.42,5.59 24.4,5.57 J2.27
